# Altium PCB HIVE_BOARD_PCB ASCII REV Project_PCB_Rev.Project_SCH_Rev.PcbDoc (part 8 of 9) (continued)
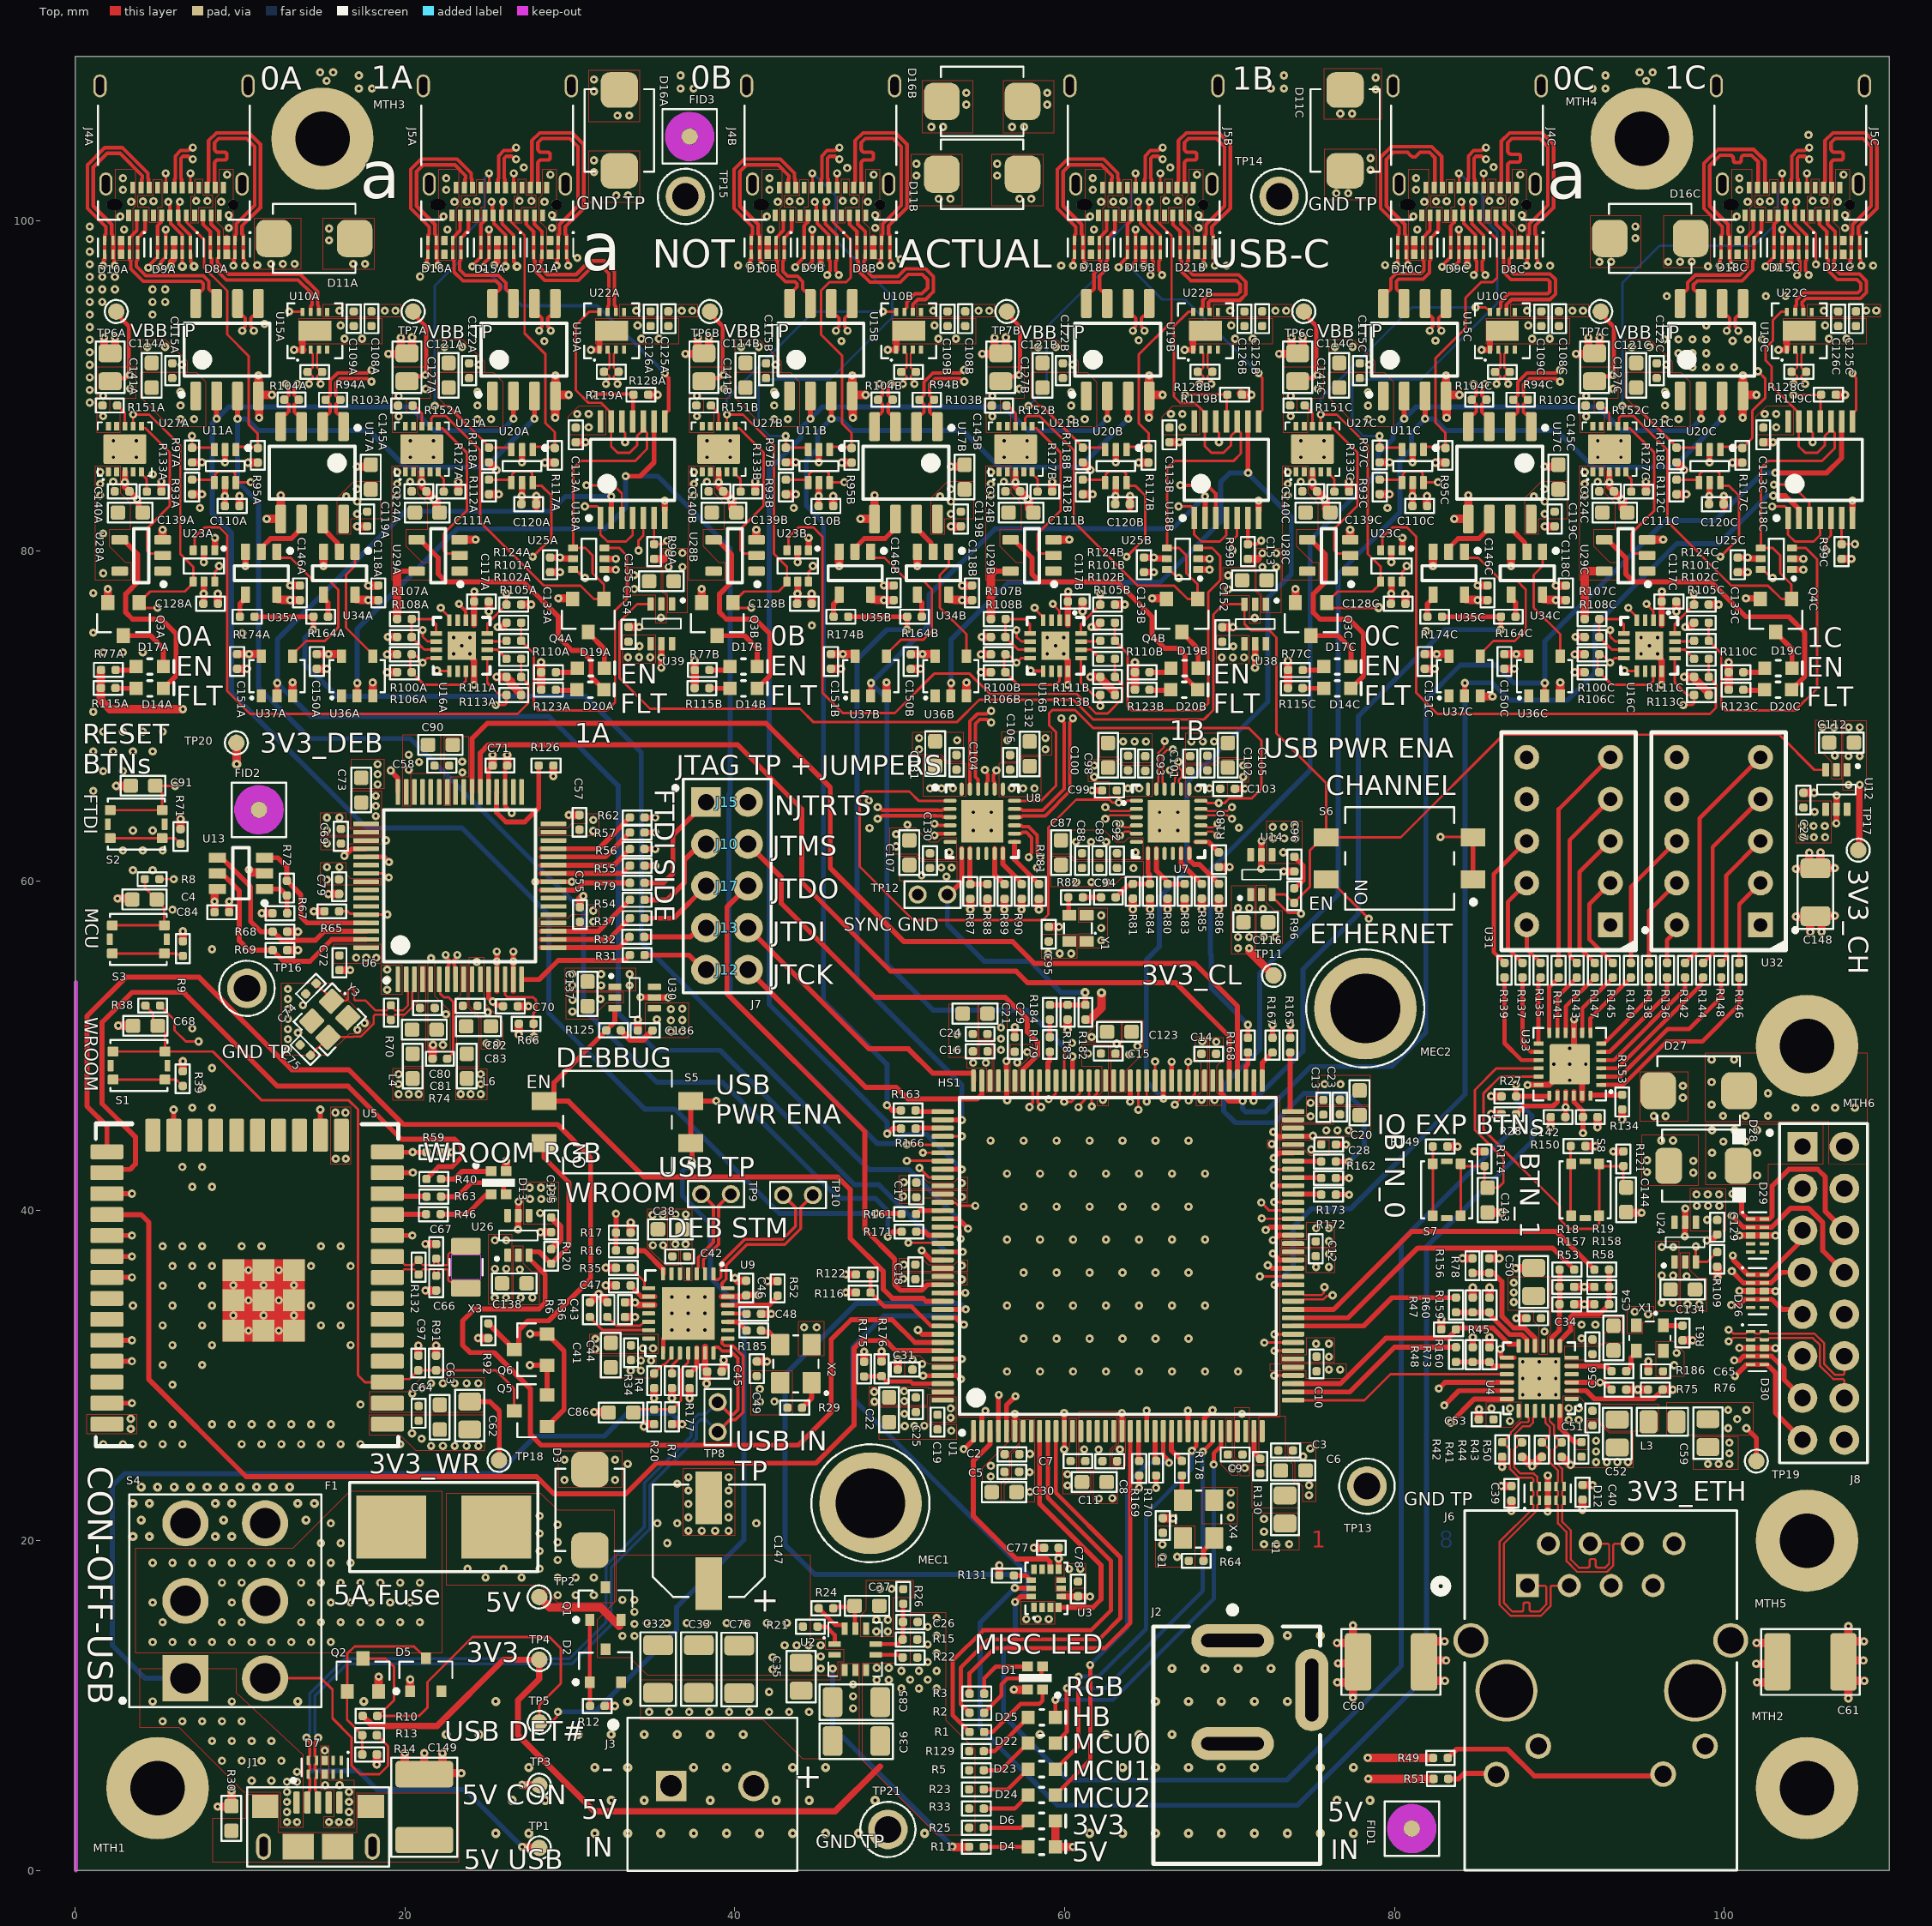
[diagram p0: Top view]
## Nets (pads, with @x,y where several pads share a name; then routed paths per layer and width w, separated by ;. In a path a pad name is that pad's centre, name@x,y a point inside that pad or via, vN(x,y) a via of type N, cw(c..) or ccw(c..) an arc to the next point about the centre after c; other vN are vias at no path point) (continued)
SYNC_1B_P: D18B.4 D18B.7 J5B.B2 U8.17 | length 106.5
  Top w0.216: U8.17@56.954,64.363 56.961,64.356 57.37,64.356 57.442,64.284 58.674,64.284 59.972,65.583 59.972,69.591 59.793,69.771 v1(59.793,69.862) ; v1(61.201,97.305) 61.171,97.336 61.171,97.655 61.1,97.726 61.1,97.983 D18B.4@61.1,98.817 61.092,98.826 61.092,99.149 61.022,99.219 61.022,99.798 59.902,100.918 59.902,103.004 60.31,103.412 62.222,103.412 62.878,102.756 62.878,102.577 62.842,102.54 62.842,102.082 J5B.B2@62.8,102.04
  Signal_1 w0.127: v1(59.793,69.862) 59.793,69.93 60.011,70.148 60.011,70.488 59.655,70.843 56.711,70.843 55.867,71.687 55.867,74.596 54.429,76.034 54.429,76.09 54.429,77.095 cw(c54.917,77.095) 54.917,77.582 58.984,77.582 ccw(c58.984,77.803) 59.205,77.803 59.205,78.098 ccw(c58.984,78.098) 58.984,78.319 54.89,78.319 cw(c54.89,78.807) 54.402,78.807 54.402,79.101 cw(c54.89,79.101) 54.89,79.589 58.984,79.589 ccw(c58.984,79.81) 59.205,79.81 59.205,80.105 ccw(c58.984,80.105) 58.984,80.326 54.89,80.326 cw(c54.89,80.813) 54.402,80.813 54.402,81.108 cw(c54.89,81.108) 54.89,81.596 58.984,81.596 ccw(c58.984,81.817) 59.205,81.817 59.205,82.111 ccw(c58.984,82.111) 58.984,82.332 54.917,82.332 cw(c54.917,82.82) 54.429,82.82 54.429,83.017 54.429,86.588 55.329,87.488 57.723,87.488 58.678,87.488 cw(c58.678,87) 59.166,87 59.166,85.72 ccw(c59.386,85.72) 59.386,85.499 59.681,85.499 ccw(c59.681,85.72) 59.902,85.72 59.902,87.02 cw(c60.39,87.02) 60.39,87.508 60.684,87.508 cw(c60.684,87.02) 61.172,87.02 61.172,85.815 ccw(c61.393,85.815) 61.393,85.594 61.688,85.594 ccw(c61.688,85.815) 61.909,85.815 61.909,87 cw(c62.396,87) 62.396,87.488 62.593,87.488 62.741,87.488 63.109,87.855 63.109,88.765 62.334,89.54 62.334,91.264 62.334,91.46 ccw(c62.113,91.46) 62.113,91.681 61.084,91.681 cw(c61.084,92.169) 60.597,92.169 60.597,92.464 cw(c61.084,92.464) 61.084,92.951 62.241,92.951 ccw(c62.241,93.172) 62.462,93.172 62.462,93.467 ccw(c62.241,93.467) 62.241,93.688 59.28,93.688 cw(c59.28,94.176) 58.792,94.176 58.792,94.47 cw(c59.28,94.47) 59.28,94.958 62.113,94.958 ccw(c62.113,95.179) 62.334,95.179 62.334,95.824 62.334,96.155 ccw(c62.207,96.155) 62.207,96.282 61.05,96.282 cw(c61.05,96.396) 60.936,96.396 60.936,96.549 cw(c61.05,96.549) 61.05,96.663 62.207,96.663 ccw(c62.207,96.79) 62.334,96.79 62.334,97.235 62.334,97.785 62.056,98.062 61.335,98.062 60.983,97.71 60.983,97.566 61.201,97.348 v1(61.201,97.305)
SYNC_1C_N: D18C.5 D18C.6 J5C.B3 U8.14 | length 106.5
  Top w0.216: U8.14@56.954,62.863 56.961,62.869 57.37,62.869 57.442,62.942 57.678,62.942 57.996,62.624 57.996,61.707 57.816,61.528 v1(57.816,61.437) ; v1(99.699,97.305) 99.729,97.335 99.729,97.655 99.8,97.725 D18C.6@99.8,97.982 D18C.5@99.8,98.817 99.808,98.826 99.808,99.148 99.879,99.219 99.879,99.656 98.76,100.775 98.76,103.5 99.604,104.345 101.783,104.345 102.458,103.67 102.458,102.082 J5C.B3@102.5,102.04
  Signal_1 w0.127: v1(57.816,61.437) 57.816,61.505 58.034,61.723 58.034,61.988 58.34,62.295 59.28,62.295 59.931,61.644 59.931,59.906 60.807,59.03 62.397,59.03 63.896,57.531 75.27,57.531 84.002,66.262 97.784,66.262 108.458,76.937 108.458,90.71 106.992,92.175 105.639,92.175 105.205,92.609 103.043,92.609 102.425,91.991 100.088,91.991 99.428,92.651 99.428,95.403 99.917,95.893 99.917,97.044 99.699,97.262 v1(99.699,97.305)
SYNC_1C_P: D18C.4 D18C.7 J5C.B2 U8.15 | length 106.5
  Top w0.216: U8.15@56.954,63.363 56.961,63.356 57.37,63.356 57.442,63.284 57.82,63.284 58.338,62.766 58.338,61.707 58.518,61.528 v1(58.518,61.437) ; v1(100.401,97.305) 100.371,97.335 100.371,97.655 100.3,97.725 D18C.7@100.3,97.982 D18C.4@100.3,98.817 100.292,98.826 100.292,99.148 100.222,99.219 100.222,99.798 99.102,100.917 99.102,103.358 99.746,104.002 100.324,104.002 cw(c100.324,103.786) 100.54,103.786 100.54,103.691 ccw(c100.681,103.691) 100.681,103.55 100.869,103.55 ccw(c100.869,103.691) 101.01,103.691 101.01,103.786 cw(c101.226,103.786) 101.226,104.002 101.641,104.002 102.042,103.601 102.042,102.082 J5C.B2@102,102.04
  Signal_1 w0.127: v1(58.518,61.437) 58.518,61.505 58.3,61.723 58.3,61.878 58.451,62.028 59.17,62.028 59.664,61.533 59.664,59.796 60.697,58.763 62.287,58.763 63.786,57.264 75.381,57.264 84.112,65.995 97.894,65.995 108.725,76.826 108.725,90.82 107.103,92.442 105.749,92.442 105.315,92.876 102.933,92.876 102.314,92.257 100.199,92.257 99.694,92.762 99.694,95.293 100.184,95.782 100.184,97.044 100.401,97.262 v1(100.401,97.305)
USB_D_N: D7.5 D7.6 J1.2 TP8.1 U9.21 | length 50.2
  Top w0.191: v1(14.037,8.062) 14.037,7.965 14.23,7.773 14.23,6.943 14.151,6.864 14.151,6.682 D7.5@14.146,6.677 14.146,6.494 14.231,6.41 14.238,6.41 14.238,6.109 14.231,6.109 14.146,6.025 D7.6@14.146,5.842 14.151,5.837 14.151,5.655 14.238,5.568 14.238,4.851 14.182,4.795 14.182,4.225 J1.2@14.08,4.123 ; U9.21@38.703,31.377 38.703,31.652 38.78,31.73 39.002,31.73 39.232,31.5 39.746,31.5 40.188,31.057 40.188,27.93 39.911,27.652 39.701,27.652 TP8.1@38.96,28.393
  Signal_1 w0.127: v1(14.037,8.062) v1@14.236,8.062
  Bottom w0.191: v1(14.037,8.062) 14.037,8.16 14.23,8.352 14.23,8.547 14.23,10.012 14.23,10.727 16.346,12.844 29.987,12.844 32.187,15.044 32.187,18.501 34.522,20.836 34.522,23.497 37.351,26.325 37.351,27.215 37.791,27.656 38.222,27.656 TP8.1@38.96,28.393
USB_D_P: D7.4 D7.7 J1.3 TP8.2 U9.22 | length 50.3
  Top w0.191: J1.3@14.73,4.123 14.628,4.225 14.628,4.795 14.564,4.86 14.564,5.577 14.642,5.655 14.642,5.837 D7.7@14.646,5.842 14.646,6.025 14.562,6.109 14.555,6.109 14.555,6.41 14.562,6.41 14.646,6.494 D7.4@14.646,6.677 14.642,6.682 14.642,6.864 14.547,6.959 14.547,7.773 14.74,7.965 v1(14.74,8.062) ; TP8.2@38.96,26.593 39.701,27.335 40.042,27.335 40.506,27.798 40.506,31.189 39.878,31.817 39.364,31.817 39.226,31.954 39.226,32.176 39.304,32.254 U9.22@39.579,32.254
  Bottom w0.191: v1(14.74,8.062) 14.74,8.16 14.547,8.352 14.547,10.596 16.478,12.526 30.118,12.526 32.505,14.913 32.505,18.369 34.839,20.704 34.839,23.365 37.668,26.194 37.668,26.594 37.668,27.084 37.919,27.335 38.218,27.335 TP8.2@38.96,26.593
USB_DEBUG_N: TP9.2 U6.7 U9.2 | length 49.2
  Top w0.191: v1(22.47,55.511) 22.47,55.414 22.663,55.222 22.663,54.917 22.616,54.871 22.616,54.067 U6.7@22.571,54.022 ; U9.2@38.195,36.178 38.195,36.453 38.099,36.548 38.099,37.045 39.019,37.964 39.019,40.307 39.721,41.009 TP9.2@39.76,41.009
  Signal_1 w0.127: v1(22.47,55.511) 22.47,55.424 22.669,55.225 22.669,52.833 23.255,52.247 23.255,48.466 19.34,44.551 19.34,41.793 20.139,40.994 25.955,40.994 27.024,42.063 29.402,42.063 30.022,41.443 30.022,39.182 31.288,37.917 34.128,37.917 34.997,38.786 38.367,38.786 39.012,39.431 39.012,40.934 39.087,41.009 TP9.2@39.76,41.009
USB_DEBUG_P: TP9.1 U6.8 U9.3 | length 49.2
  Top w0.191: U6.8@23.071,54.022 23.027,54.067 23.027,54.871 22.98,54.917 22.98,55.222 23.173,55.414 v1(23.173,55.511) ; U9.3@37.687,36.178 37.687,36.453 37.782,36.548 37.782,37.176 38.701,38.096 38.701,40.307 37.999,41.009 TP9.1@37.96,41.009
  Signal_1 w0.127: v1(23.173,55.511) 23.173,55.424 22.974,55.225 22.974,54.938 22.974,54.582 ccw(c23.101,54.582) 23.101,54.455 23.464,54.455 cw(c23.464,54.341) 23.578,54.341 23.578,54.189 cw(c23.464,54.189) 23.464,54.074 23.101,54.074 ccw(c23.101,53.947) 22.974,53.947 22.974,53.503 22.974,52.959 23.56,52.373 23.56,48.34 19.645,44.424 19.645,41.92 20.266,41.299 25.828,41.299 26.897,42.368 29.528,42.368 30.022,41.874 30.327,41.569 30.327,39.309 31.414,38.221 34.002,38.221 34.871,39.091 38.241,39.091 38.708,39.558 38.708,40.934 38.633,41.009 TP9.1@37.96,41.009
USB_PWR_DET#: Q2.3 R10.2 S5.1 S5.2 S6.1 S6.2 TP5.1 U1.5 | length 165
  Top w0.152: Q2.3@17.455,12.861 18.822,12.861 19.35,12.334 19.35,10.342 18.38,9.373 20.855,9.373 21.36,9.878 21.36,11.423 24.089,14.151 28.766,14.151 29.454,13.463 29.454,11.343 28.143,10.032 TP5.1@28.143,8.98 ; TP5.1@28.153,8.99 28.88,8.99 29.21,9.32 29.21,9.553 v1(29.276,9.62) ; v1(82.776,62.664) 84.685,62.664 84.704,62.683 S6.2@84.752,62.635
  Top w0.305: v1(37.4,42.964) 37.4,44.038 S5.1@37.335,44.103 S5.2@37.335,46.643 38.85,46.643 v1(38.874,46.667) ; U1.5@56.476,26.639 56.476,28.216 v1(57.016,28.756) ; S6.1@84.752,60.095 S6.2@84.752,62.635
  Signal_1 w0.152: v1(38.874,46.667) 38.917,46.625 42.468,46.625 46.412,42.681 50.029,42.681 50.764,41.946 51.929,41.946 53.202,43.219 54.239,43.219 55.759,41.699 55.759,30.014 v1(57.016,28.756) 57.84,28.756 58.796,29.713 65.001,29.713 67.015,31.726 67.015,44.459 65.514,45.96 65.514,47.351 66.537,48.374 69.575,48.374 70.091,48.89 71.819,50.617 71.819,52.279 82.203,62.664 v1(82.776,62.664)
  Bottom w0.305: v1(29.276,9.62) 31.532,9.62 36.474,14.562 36.474,15.97 40.553,20.049 40.553,33.898 38.528,35.923 38.528,39.196 36.821,40.903 36.821,42.385 v1(37.4,42.964)
USB_STM_D_N: TP10.2 U1.100 U9.28 | length 49.4
  Top w0.191: U9.28@39.579,35.302 39.304,35.302 39.226,35.379 39.226,35.601 39.478,35.852 39.478,36.698 40.735,37.955 43.034,37.955 43.994,38.915 43.994,40.211 TP10.2@44.735,40.952 ; U1.100@58.476,47.889 58.421,47.835 58.421,47.244 58.376,47.198 58.376,46.577 58.568,46.385 v1(58.568,46.287)
  Signal_1 w0.127: TP10.2@44.735,40.952 44.062,40.952 43.987,41.026 43.987,42.597 42.624,43.961 42.516,44.069 42.23,44.354 37.036,44.354 36.042,45.348 36.042,46.989 36.711,47.658 52.721,47.658 55.046,45.333 55.569,44.81 57.807,44.81 58.369,45.372 58.369,46.001 58.568,46.2 v1(58.568,46.287)
USB_STM_D_P: TP10.1 U1.101 U9.1 | length 49.4
  Top w0.191: U9.1@38.703,36.178 38.703,35.903 38.78,35.825 39.002,35.825 39.16,35.984 39.16,36.829 40.603,38.273 42.902,38.273 43.676,39.047 43.676,40.211 TP10.1@42.935,40.952 ; v1(57.866,46.287) 57.866,46.385 58.058,46.577 58.058,47.198 58.031,47.225 58.031,47.835 U1.101@57.976,47.889
  Signal_1 w0.127: TP10.1@42.935,40.952 43.608,40.952 43.683,41.026 43.683,42.471 42.39,43.764 42.193,43.961 42.104,44.049 36.91,44.049 35.738,45.221 35.738,47.115 36.585,47.963 52.847,47.963 55.477,45.333 55.695,45.115 56.604,45.115 56.667,45.115 ccw(c56.667,45.242) 56.794,45.242 cw(c56.909,45.242) 56.909,45.356 57.061,45.356 cw(c57.061,45.242) 57.175,45.242 ccw(c57.302,45.242) 57.302,45.115 57.681,45.115 58.064,45.498 58.064,46.001 57.866,46.2 v1(57.866,46.287)
VCAP: C28.2 C29.2 C31.2 U1.68 U1.103 U1.140
  other v1: 51.359,30.709 50.775,30.963 74.947,43.714 72.555,44.046 57.124,48.988 57.727,49.631
VDDA: C3.2 C6.1 L1.2 R130.1 U1.36
VREGOUT_1V8: C70.1 C71.1 C72.1 C73.2 U6.12 U6.37 U6.49 U6.64 | length 4.6
  Top w0.305: U6.12@25.072,54.022 25.072,52.932 v1(25.324,52.68) 25.324,52.669 25.309,52.654 25.484,52.479 25.867,52.479 C70.1@25.946,52.4 ; U6.37@25.071,65.382 25.071,66.748 C71.1@25.314,66.991
  Top w0.508: C71.1@25.314,66.991 v1(25.314,67.642)
  other v1: 17.042,55.341 17.652,55.341 18.262,55.341 18.237,63.932 18.237,64.541 18.237,65.151
WR_PWR_EN: R120.2 S5.4 U1.137 U26.3 | length 60
  Top w0.305: S5.4@28.435,44.103 28.435,43.222 29.948,41.709 29.948,37.869 28.97,36.891 R120.2@28.868,36.789 28.142,37.516 27.571,37.516 27.523,37.468 U26.3@27.523,37.308 27.523,37.108 28.499,36.132 28.499,34.417 28.126,34.045 24.222,34.045 23.489,33.312 23.489,31.863 23.946,31.406 25.405,31.406 27.614,29.197 27.614,26.435 28.26,25.789 43.856,25.789 45.842,27.775 45.842,32.194 47.046,33.398 49.534,33.398 50.918,32.014 U1.137@52.601,32.014
WROOM_LED_B: R40.2 U5.26 | length 41.1
  Top w0.305: U5.26@1.932,42.309 2.131,42.508 3.333,42.508 3.658,42.832 3.658,44.481 1.639,46.5 1.639,51.429 3.453,53.243 6.583,53.243 6.88,52.947 12.261,47.566 16.55,47.566 19.777,44.339 23.019,44.339 23.444,43.914 23.444,43.257 22.86,42.672 22.047,42.672 R40.2@21.303,41.928
WROOM_LED_G: R46.2 U5.11 | length 2.4
  Top w0.305: U5.11@18.932,39.769 18.944,39.781 21.265,39.781 R46.2@21.277,39.792
WROOM_LED_R: R63.2 U5.12 | length 2.4
  Top w0.305: U5.12@18.932,41.039 19.088,40.883 21.28,40.883 R63.2@21.303,40.86
pads on no net: D2.2 D5.2 D7.1 D7.2 D7.9 D7.10 D26.5 D26.6 D29.4 D29.5 D29.6 D29.7 FID1.1 FID1.2 FID2.1 FID2.2 FID3.1 FID3.2 J1.4 J4A. J4B. J4C. J5A. J5B. J5C. J6.0 J6.7 MTH1.1 MTH2.1 MTH3.1 MTH4.1 S1.5 S1.6 S2.5 S2.6 S3.5 S3.6 S7.5 S7.6 S8.5 S8.6 U1.15 U1.26 U3.10 U3.11 U4.4 U5.4 U5.5 U5.6 U5.7 U5.17 U5.18 U5.19 U5.20 U5.21 U5.22 U5.24 U5.32 U5.33 U5.36 U6.21 U6.22 U6.23 U6.30 U6.32 U6.33 U6.34 U6.40 U6.41 U6.43 U6.44 U6.45 U6.46 U6.54 U6.57 U6.58 U6.59 U7.9 U7.10 U8.9 U8.10 U9.5 U9.6 U9.11 U9.23 U10A.4 U10B.4 U10C.4 U12.6 U14.6 U16A.3 U16A.10 U16B.3 U16B.10 U16C.3 U16C.10 U21A.4 U21B.4 U21C.4 U22A.4 U22B.4 U22C.4 U24.6 U26.6 U27A.4 U27B.4 U27C.4 U28A.1 U28B.1 U28C.1 U29A.1 U29B.1 U29C.1 U30.6 U31.7 U32.7 U36A.1 U36B.1 U36C.1 U37A.1 U37B.1 U37C.1 U38.6 U39.6

## Polygon pours and split planes (outlines as drawn)
3V3 on Top "NONET_L-01_P-001" (solid, pour order 742): 62.812,47.187 62.812,49.124 63.525,49.124 63.525,51.553 64.727,51.553 64.727,49.521 63.699,48.493 63.699,47.187
GND on Top "NONET_L-01_P-001" (solid, pour order 787): 35.222,75.614 35.222,77.303 33.596,77.303 33.596,79.013 35.526,79.013 35.526,77.608 35.831,77.303 35.831,75.614
3V3_CH on Top "NONET_L-01_P-001" (solid, pour order 786): 35.941,76.256 35.941,77.339 35.639,77.642 35.639,80.174 37.101,80.174 37.101,76.256 36.038,76.256
3V3 on Top "NONET_L-01_P-001" (solid, pour order 785): 35.171,74.913 35.171,73.177 33.215,73.177 33.215,74.913
3V3 on Top "NONET_L-01_P-001" (solid, pour order 784): 71.171,74.902 71.171,73.166 69.215,73.166 69.215,74.902
GND on Top "NONET_L-01_P-001" (solid, pour order 783): 71.222,75.603 71.222,77.292 69.596,77.292 69.596,79.002 71.526,79.002 71.526,77.597 71.831,77.292 71.831,75.603
3V3_CH on Top "NONET_L-01_P-001" (solid, pour order 782): 71.941,76.245 71.941,77.328 71.639,77.631 71.639,80.163 73.101,80.163 73.101,76.245 72.038,76.245
GND on Top "NONET_L-01_P-001" (solid, pour order 769): 53.594,46.965 73.025,46.965 73.025,27.483 53.594,27.483
GND on Top "NONET_L-01_P-001" (solid, pour order 622): 95.003,44.609 98.396,44.609 98.396,41.518 95.003,41.518
BB_VIN_0A on Top "NONET_L-01_P-001" (solid, pour order 470): 13.687,97.069 10.887,97.069 10.887,100.2 13.687,100.2
GND on Top "NONET_L-01_P-001" (solid, pour order 471): 18.139,97.069 15.043,97.069 15.043,100.2 18.139,100.2
5V on Top "NONET_L-01_P-001" (solid, pour order 640): 43.116,11.868 46.253,11.868 46.253,12.673 46.629,12.673 46.629,13.404 45.509,13.404 45.509,14.019 44.594,14.019 44.594,19.103 32.801,19.103 32.801,16.342 31.64,15.181 31.64,12.933 33.632,12.933 34.697,11.868
3V3_CH on Top "NONET_L-01_P-001" (solid, pour order 768): 51.011,94.209 55.763,94.209 55.763,94.945 51.011,94.945
3V3_CH on Top "NONET_L-01_P-001" (solid, pour order 767): 15.011,94.209 19.763,94.209 19.763,94.945 15.011,94.945
3V3_CH on Top "NONET_L-01_P-001" (solid, pour order 766): 33.011,94.209 37.763,94.209 37.763,94.945 33.011,94.945
3V3_CH on Top "NONET_L-01_P-001" (solid, pour order 765): 69.011,94.209 73.763,94.209 73.763,94.945 69.011,94.945
3V3_CH on Top "NONET_L-01_P-001" (solid, pour order 764): 87.011,94.209 91.763,94.209 91.763,94.945 87.011,94.945
3V3_CH on Top "NONET_L-01_P-001" (solid, pour order 582): 105.011,94.209 109.475,94.209 109.475,94.945 105.011,94.945
GND on Top "GND_L01_P724" (solid, pour order 724): 16.611,50.722 15.301,49.411 12.527,49.411 12.527,53.802 15.514,53.802 17.925,51.392 17.254,50.722
GND on Top "NONET_L-01_P-001" (solid, pour order 528): 48.2,97.689 48.2,99.535 47.734,100 47.734,101.423 47.955,101.644 47.955,103.146 48.776,103.146 48.776,99.993 48.776,97.689
GND on Top "NONET_L-01_P-001" (solid, pour order 760): 15.075,2.618 16.945,2.618 16.945,5.45 15.403,5.45 15.403,7.551 14.884,7.551 14.884,4.909 15.689,4.909 15.689,3.248 15.075,3.248
SHIELD_USB on Top "Top-SHIELD_USB" (solid, pour order 759): 8.337,0.513 23.285,0.513 23.285,4.675 17.066,4.675 17.066,2.299 12.334,2.299 12.334,4.597 10.326,4.597 10.326,3.146 8.337,3.146
5V_USB on Top "NONET_L-01_P-001" (solid, pour order 755): 12.445,3.161 12.445,2.622 13.84,2.622 13.84,6.996 9.773,10.755 9.773,12.209 3.903,12.209 3.903,8.681 6.307,8.681 10.239,4.75 12.445,4.75
NetF1_1 on Top "NONET_L-01_P-001" (solid, pour order 752): 3.689,19.554 13.211,19.554 16.676,23.02 22.241,23.02 22.241,13.188 3.689,13.188
5V on Top "NONET_L-01_P-001" (solid, pour order 618): 106.326,42.836 106.326,45.384 98.857,45.384 98.857,49.583 108.65,49.583 108.65,42.807
GND on Top "NONET_L-01_P-001" (solid, pour order 743): 73.533,25.916 73.533,25.21 73.939,24.804 73.939,23.749 74.401,23.287 74.401,22.397 75.229,22.397 75.229,25.916
GND on Top "NONET_L-01_P-001" (solid, pour order 741): 62.784,49.256 62.784,50.221 61.255,50.221 61.255,50.628 62.181,51.553 63.422,51.553 63.422,49.256
3V3 on Top "NONET_L-01_P-001" (solid, pour order 740): 62.668,46.373 62.668,50.081 61.018,50.081 61.018,48.768 62.253,48.768 62.253,47.187 61.963,46.897 61.963,46.373
3V3_CL on Top "NONET_L-01_P-001" (solid, pour order 671): 56.004,65.109 58.589,65.109 58.589,66.015 58.589,67.517 57.525,67.517 57.133,67.126 56.004,67.126 56.004,66.088
GND on Top "NONET_L-01_P-001" (solid, pour order 739): 68.668,46.373 68.668,50.544 67.901,50.544 67.901,49.298 68.253,48.945 68.253,47.187 67.963,46.897 67.963,46.373
3V3 on Top "NONET_L-01_P-001" (solid, pour order 738): 68.784,46.373 68.784,50.52 69.591,50.52 69.591,49.16 69.199,48.768 69.199,47.187 69.489,46.897 69.489,46.373
VCAP on Top "NONET_L-01_P-001" (solid, pour order 737): 72.298,44.306 76.024,44.306 76.024,43.334 74.873,43.335 74.428,43.78 72.298,43.78
VCAP on Top "NONET_L-01_P-001" (solid, pour order 736): 56.718,47.149 56.718,50.102 58.071,50.102 58.071,49.537 57.205,48.671 57.205,47.149 57.152,47.149
VCAP on Top "NONET_L-01_P-001" (solid, pour order 735): 53.36,29.947 50.324,29.947 50.324,31.217 51.192,31.217 51.68,30.729 53.36,30.729
GND on Top "NONET_L-01_P-001" (solid, pour order 732): 0.701,27.674 3.721,27.674 3.721,26.468 0.701,26.468
GND on Top "NONET_L-01_P-001" (solid, pour order 731): 15.498,42.805 15.498,46.294 16.704,46.294 16.704,42.805
NetD3_1 on Top "NONET_L-01_P-001" (solid, pour order 730): 22.533,22.888 28.225,22.888 29.251,21.862 32.68,21.862 32.68,16.229 29.277,16.229 28.216,17.29 22.533,17.29
GND on Top "NONET_L-01_P-001" (solid, pour order 729): 45.4,33.308 45.4,31.201 43.862,31.201 43.862,33.308
GND on Top "NONET_L-01_P-001" (solid, pour order 727): 36.86,20.296 36.86,24.382 40,24.382 40,20.296
GND on Top "NONET_L-01_P-001" (solid, pour order 726): 29.305,23.21 29.305,25.463 33.15,25.463 33.15,23.21
VREGOUT_1V8 on Top "NONET_L-01_P-001" (solid, pour order 725): 15.674,54.993 15.674,56.185 18.55,56.185 18.55,54.993
3V3_DEB on Top "NONET_L-01_P-001" (solid, pour order 723): 23.084,46.722 23.084,48.623 24.971,48.623 24.971,46.722
3V3_DEB on Top "NONET_L-01_P-001" (solid, pour order 722): 21.133,46.722 21.133,48.623 19.246,48.623 19.246,46.722
GND on Top "NONET_L-01_P-001" (solid, pour order 721): 23.876,55.354 23.876,52.451 24.613,51.714 24.613,49.8 25.959,49.8 25.959,51.46 24.808,52.611 24.808,55.354
GND on Top "NONET_L-01_P-001" (solid, pour order 720): 18.577,54.917 19.812,54.917 19.812,53.113 18.577,53.113
GND on Top "NONET_L-01_P-001" (solid, pour order 719): 21.387,55.422 21.387,49.739 22.75,49.739 22.75,52.059 21.814,52.995 21.814,55.422
NetC80_1 on Top "NONET_L-01_P-001" (solid, pour order 718): 21.26,54.868 21.26,48.747 19.855,48.747 19.855,51.744 20.823,52.712 20.823,54.868
NetC82_1 on Top "NONET_L-01_P-001" (solid, pour order 717): 23.343,54.868 23.343,53.061 23.126,52.844 23.126,48.747 24.498,48.747 24.498,51.666 23.8,52.364 23.8,54.868
GND on Top "NONET_L-01_P-001" (solid, pour order 716): 47.613,14.205 49.6,14.205 49.6,16.565 50.83,16.565 50.83,17.584 47.946,17.584 47.946,15.778 47.613,15.445
3V3_DEB on Top "NONET_L-01_P-001" (solid, pour order 715): 18.533,59.752 14.877,59.752 14.877,61.128 16.412,61.128 16.412,60.445 16.713,60.144 18.533,60.144
GND on Top "NONET_L-01_P-001" (solid, pour order 714): 19.03,62.653 14.877,62.653 14.877,61.9 15.581,61.9 16.332,61.9 16.688,62.255 19.03,62.255
3V3_DEB on Top "NONET_L-01_P-001" (solid, pour order 713): 18.533,62.752 14.877,62.752 14.877,64.128 16.412,64.128 16.412,63.445 16.713,63.144 18.533,63.144
3V3_DEB on Top "NONET_L-01_P-001" (solid, pour order 712): 28.11,62.752 31.766,62.752 31.766,64.055 31.062,64.055 31.062,63.445 30.096,63.445 29.853,63.202 28.11,63.202
GND on Top "NONET_L-01_P-001" (solid, pour order 711): 18.735,65.583 16.749,65.583 16.749,67.388 18.735,67.388
VREGOUT_1V8 on Top "NONET_L-01_P-001" (solid, pour order 710): 16.713,63.228 16.713,65.453 18.562,65.453 18.562,63.228
GND on Top "NONET_L-01_P-001" (solid, pour order 709): 22.164,66.494 20.344,66.494 20.344,64.512 19.869,64.512 19.869,68.862 22.164,68.862
3V3_DEB on Top "NONET_L-01_P-001" (solid, pour order 708): 22.383,64.56 22.383,68.748 23.837,68.748 23.837,66.279 22.758,66.279 22.758,64.56
3V3_DEB on Top "NONET_L-01_P-001" (solid, pour order 707): 28.11,57.252 31.766,57.252 31.766,58.555 31.062,58.555 31.062,57.945 30.096,57.945 29.853,57.702 28.11,57.702
GND on Top "NONET_L-01_P-001" (solid, pour order 706): 33.26,53.242 29.739,53.242 29.739,51.635 31.717,51.635 31.717,52.119 32.227,52.63 33.26,52.63
3V3_DEB on Top "NONET_L-01_P-001" (solid, pour order 705): 33.985,53.327 29.729,53.327 29.729,54.724 33.985,54.724
3V3 on Top "NONET_L-01_P-001" (solid, pour order 704): 34.596,52.612 37.178,52.612 37.178,50.485 34.596,50.485
GND on Top "NONET_L-01_P-001" (solid, pour order 703): 17.847,27.635 24.814,27.635 24.814,25.451 20.668,25.451 19.728,26.391 17.847,26.391
3V3_WR on Top "NONET_L-01_P-001" (solid, pour order 702): 17.847,27.788 24.826,27.788 24.826,29.867 20.998,29.867 20.148,29.017 17.847,29.017
GND on Top "NONET_L-01_P-001" (solid, pour order 701): 26.562,37.844 26.562,34.323 28.169,34.323 28.169,36.3 27.684,36.3 27.174,36.811 27.174,37.844
3V3_WR on Top "NONET_L-01_P-001" (solid, pour order 700): 26.476,38.569 26.476,34.313 25.079,34.313 25.079,38.569
3V3 on Top "NONET_L-01_P-001" (solid, pour order 699): 27.191,39.179 27.191,41.762 29.318,41.762 29.318,39.179
GND on Top "NONET_L-01_P-001" (solid, pour order 698): 36.612,37.567 35.941,37.567 35.941,40.099 34.702,40.099 34.702,37.81 35.802,36.71 36.612,36.71
3V3 on Top "NONET_L-01_P-001" (solid, pour order 697): 37.417,35.76 37.417,40.099 36.068,40.099 36.068,37.664 36.678,37.664 36.678,36.728 36.921,36.485 36.921,35.76
GND on Top "NONET_L-01_P-001" (solid, pour order 696): 31.824,31.217 35.212,31.217 35.212,29.845 31.824,29.845
3V3 on Top "NONET_L-01_P-001" (solid, pour order 695): 31.216,32.536 35.35,32.536 35.35,31.337 31.216,31.337
3V3 on Top "NONET_L-01_P-001" (solid, pour order 693): 40.986,30.309 43.472,30.309 43.472,27.599 40.986,27.599
GND on Top "NONET_L-01_P-001" (solid, pour order 692): 52.962,49.32 54.72,49.32 54.72,52.513 52.962,52.513
3V3 on Top "NONET_L-01_P-001" (solid, pour order 617): 73.174,45.263 76.302,45.263 76.302,46.321 78.525,46.321 78.525,44.502 73.174,44.502
3V3 on Top "NONET_L-01_P-001" (solid, pour order 611): 73.174,45.364 76.175,45.364 76.175,46.304 75.209,46.304 75.209,46.927 74.643,46.927 74.643,45.748 73.17,45.748
3V3 on Top "NONET_L-01_P-001" (solid, pour order 690): 55.728,47.213 55.728,50.391 54.807,50.391 54.807,52.564 56.488,52.564 56.488,47.213
3V3 on Top "NONET_L-01_P-001" (solid, pour order 689): 55.626,47.212 55.626,50.213 54.801,50.213 54.801,49.248 54.064,49.248 54.064,48.672 55.24,48.672 55.24,47.208
3V3 on Top "NONET_L-01_P-001" (solid, pour order 688): 54.117,41.207 49.946,41.207 49.946,40.439 51.193,40.439 51.545,40.791 53.303,40.791 53.593,40.502 54.117,40.502
GND on Top "NONET_L-01_P-001" (solid, pour order 687): 54.117,41.322 49.971,41.322 49.971,42.129 51.331,42.129 51.722,41.737 53.303,41.737 53.593,42.027 54.117,42.027
3V3 on Top "NONET_L-01_P-001" (solid, pour order 684): 54.117,36.207 49.946,36.207 49.946,35.439 51.193,35.439 51.545,35.791 53.303,35.791 53.593,35.502 54.117,35.502
GND on Top "NONET_L-01_P-001" (solid, pour order 683): 54.117,36.322 49.971,36.322 49.971,37.129 51.331,37.129 51.722,36.737 53.303,36.737 53.593,37.027 54.117,37.027
GND on Top "NONET_L-01_P-001" (solid, pour order 681): 48.762,28.092 51.692,28.092 51.692,27.077 53.44,27.077 53.44,26.125 48.762,26.125
3V3 on Top "NONET_L-01_P-001" (solid, pour order 680): 53.278,28.829 51.664,28.829 51.664,28.194 48.147,28.194 48.147,29.335 51.714,29.335 51.714,29.245 53.278,29.245
3V3 on Top "NONET_L-01_P-001" (solid, pour order 679): 53.436,28.702 51.816,28.702 51.816,27.191 52.29,27.191 53.44,27.191 53.44,28.337
3V3_CH on Top "NONET_L-01_P-001" (solid, pour order 678): 75.989,90.818 79.368,90.818 79.919,90.267 79.919,87.53 77.771,87.53 75.989,89.312
GND on Top "NONET_L-01_P-001" (solid, pour order 676): 59.229,69.012 56.17,69.012 56.17,67.232 57.073,67.232 57.482,67.64 59.229,67.64
GND on Top "NONET_L-01_P-001" (solid, pour order 675): 50.78,69.012 53.839,69.012 53.839,67.232 52.936,67.232 52.527,67.64 50.78,67.64
GND on Top "Top-GND" (solid, pour order 674): 49.989,59.994 49.989,61.518 50.954,61.518 51.27,61.201 53.452,61.201 53.452,59.994
3V3_CL on Top "Top-3V3_CL" (solid, pour order 673): 49.373,63.21 49.373,61.642 51.019,61.642 51.352,61.31 53.468,61.31 53.468,62.339 53.468,62.603 52.55,62.603 52.286,62.339 51.827,62.339 50.956,63.21
3V3_CL on Top "NONET_L-01_P-001" (solid, pour order 672): 54.004,65.109 51.419,65.109 51.419,66.015 51.419,67.517 52.483,67.517 52.875,67.126 54.004,67.126 54.004,66.088
GND on Top "Top-GND 1" (solid, pour order 669): 59.182,59.624 59.182,61.518 60.25,61.518 60.567,61.201 64.752,61.201 64.752,60.172 63.441,60.171 62.894,59.624
3V3_CL on Top "NONET_L-01_P-001" (solid, pour order 667): 71.529,59.713 71.529,55.567 70.131,55.567 70.131,59.713
GND on Top "NONET_L-01_P-001" (solid, pour order 668): 71.614,59.713 71.614,56.192 73.221,56.192 73.221,58.17 72.736,58.17 72.226,58.68 72.226,59.713
3V3 on Top "NONET_L-01_P-001" (solid, pour order 666): 72.244,61.049 72.244,63.631 74.371,63.631 74.371,61.049
GND on Top "NONET_L-01_P-001" (solid, pour order 665): 60.851,58.357 62.584,58.357 62.584,55.922 60.872,55.922 60.872,56.806 61.669,56.806 61.669,57.482 60.851,57.482
3V3_CL on Top "NONET_L-01_P-001" (solid, pour order 663): 58.61,56.776 60.737,56.776 60.737,55.293 58.61,55.293
3V3_CL on Top "Top-3V3_CL 1" (solid, pour order 662): 59.207,63.066 59.207,61.642 60.309,61.642 60.641,61.31 64.768,61.31 64.768,62.339 64.768,62.603 63.85,62.603 63.586,62.339 63.127,62.339 62.4,63.066